# Altium PCB POETIC_Processor_V2.PcbDoc (part 1 of 4)
Units mm, origin at the board's own origin, x right, y up, seen from the top; angles counter-clockwise.
Board outline 210 x 100 mm, 4 copper layers (Top Layer, VCC, GND, Bottom Layer), stack 1.64 mm thick; 405 components, 395 nets, 1590 pads, 394 vias.
Unrouted connection lines stored in the file: 21.
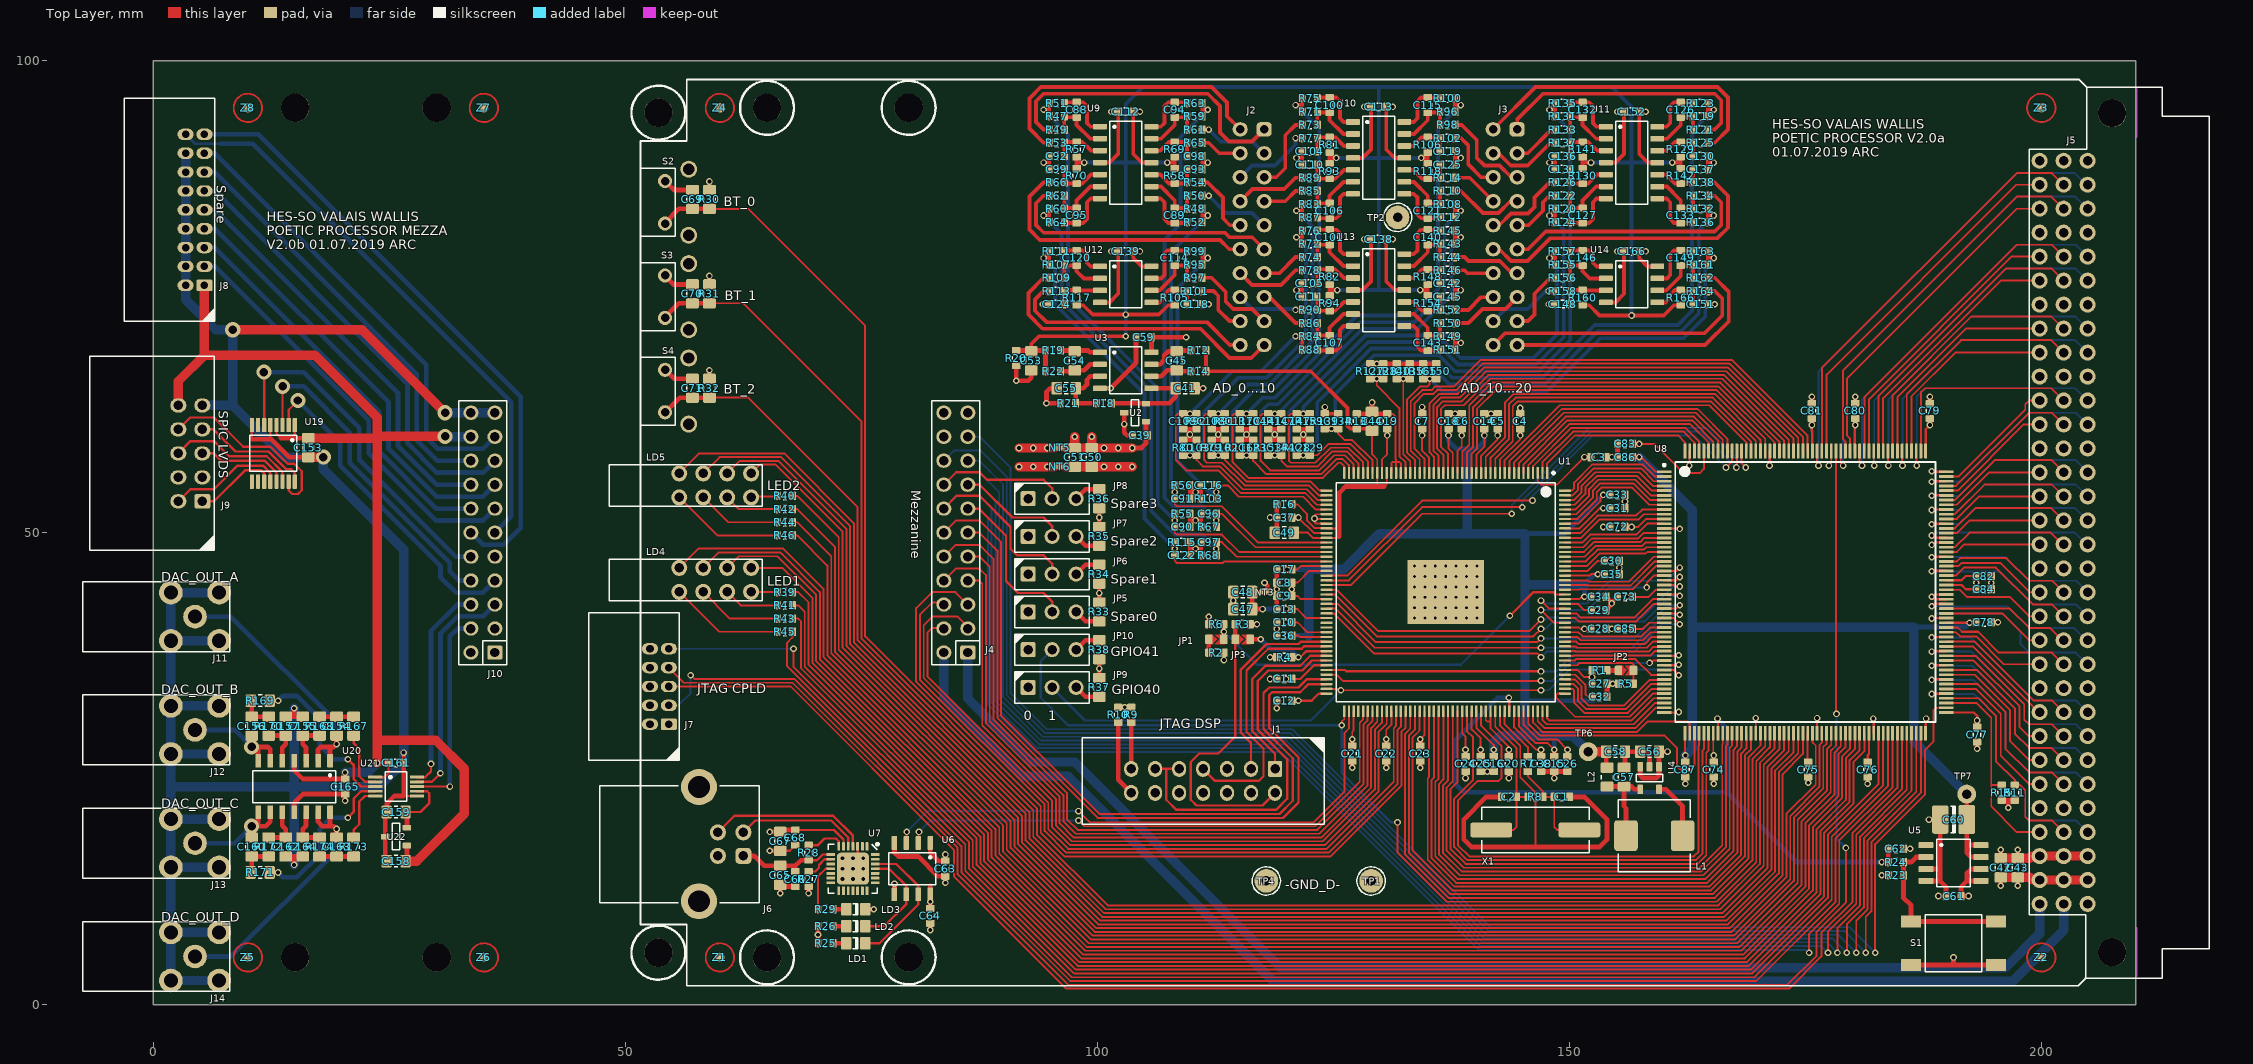
[diagram p0: Top Layer view]
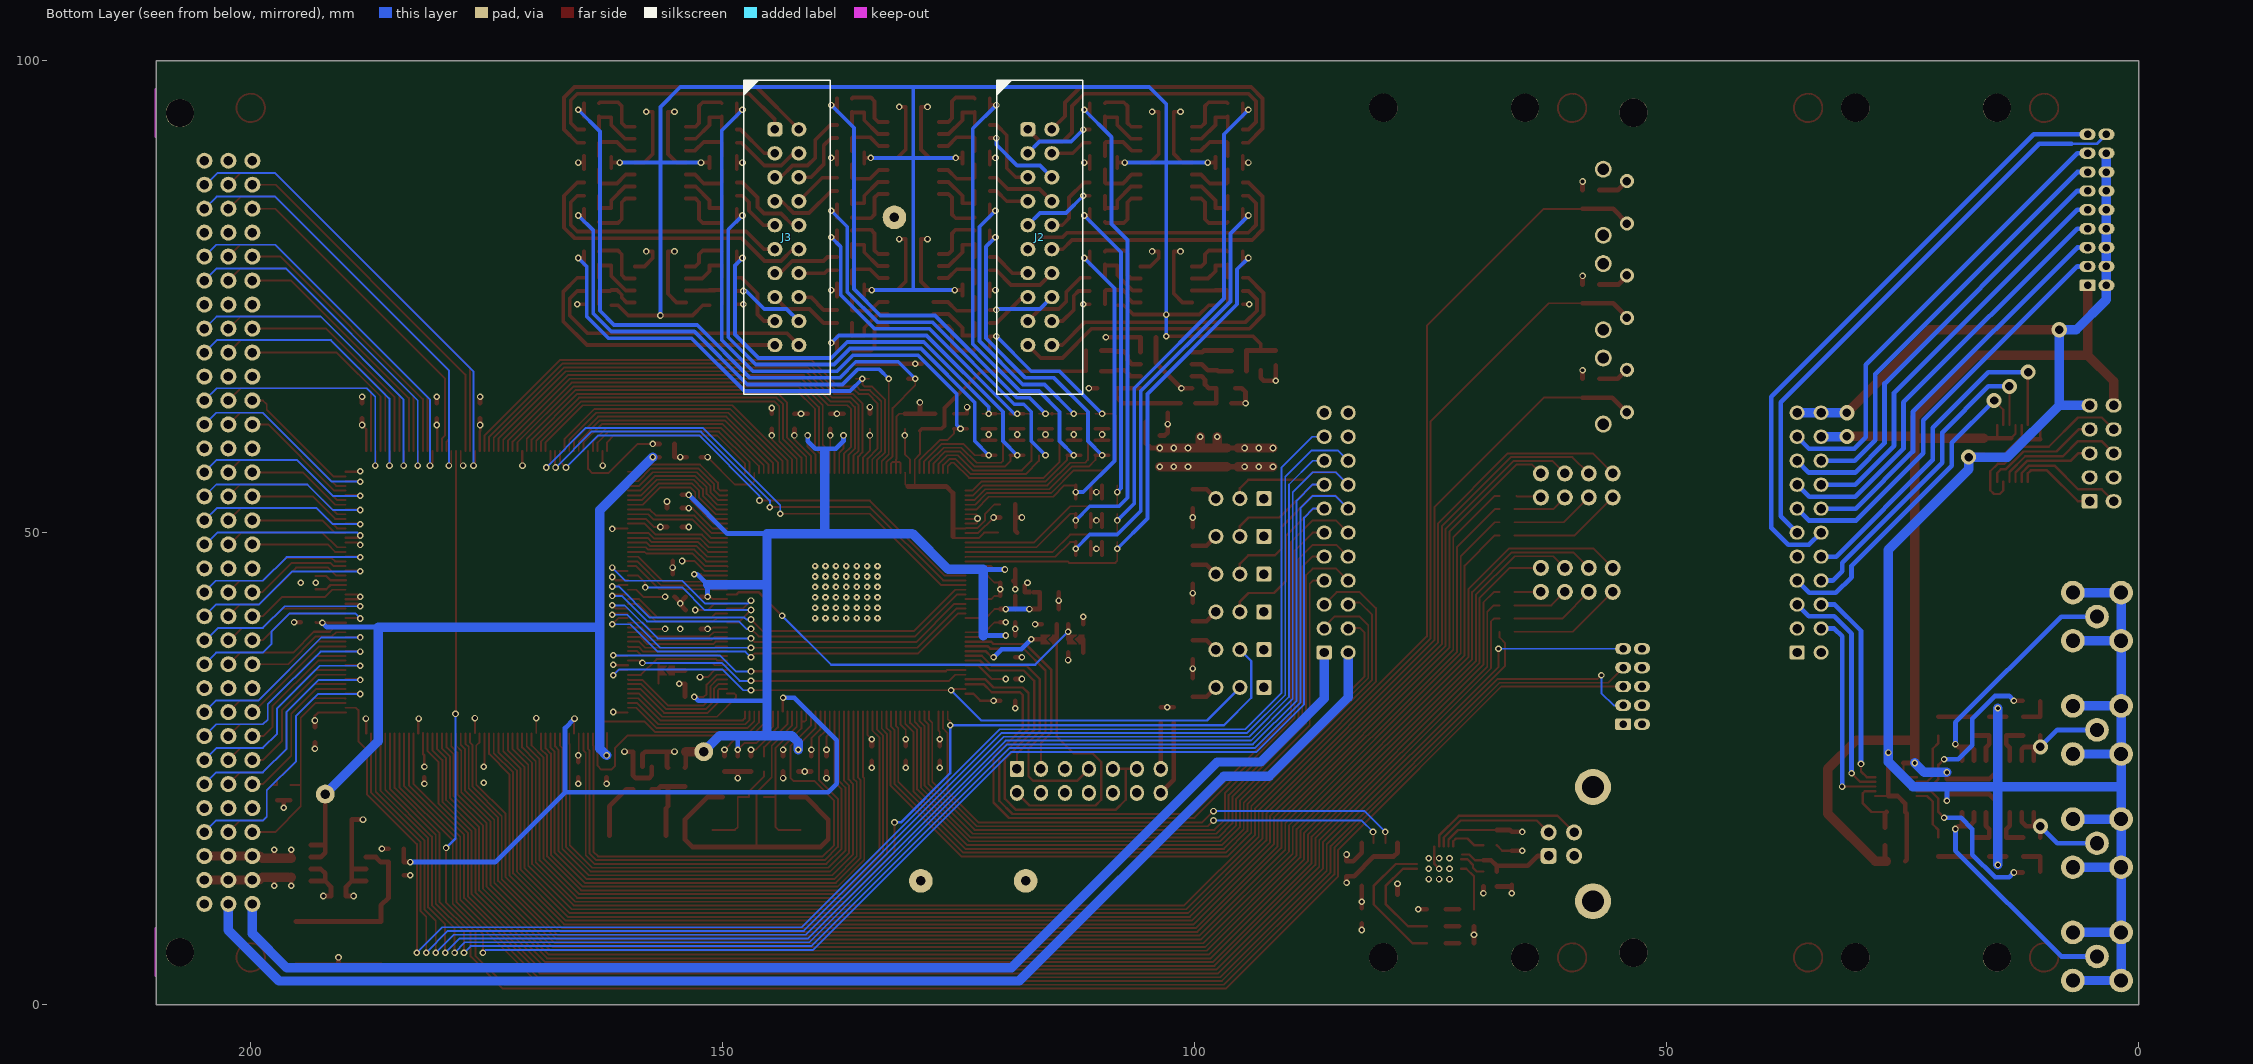
[diagram p1: Bottom Layer view, seen from below]
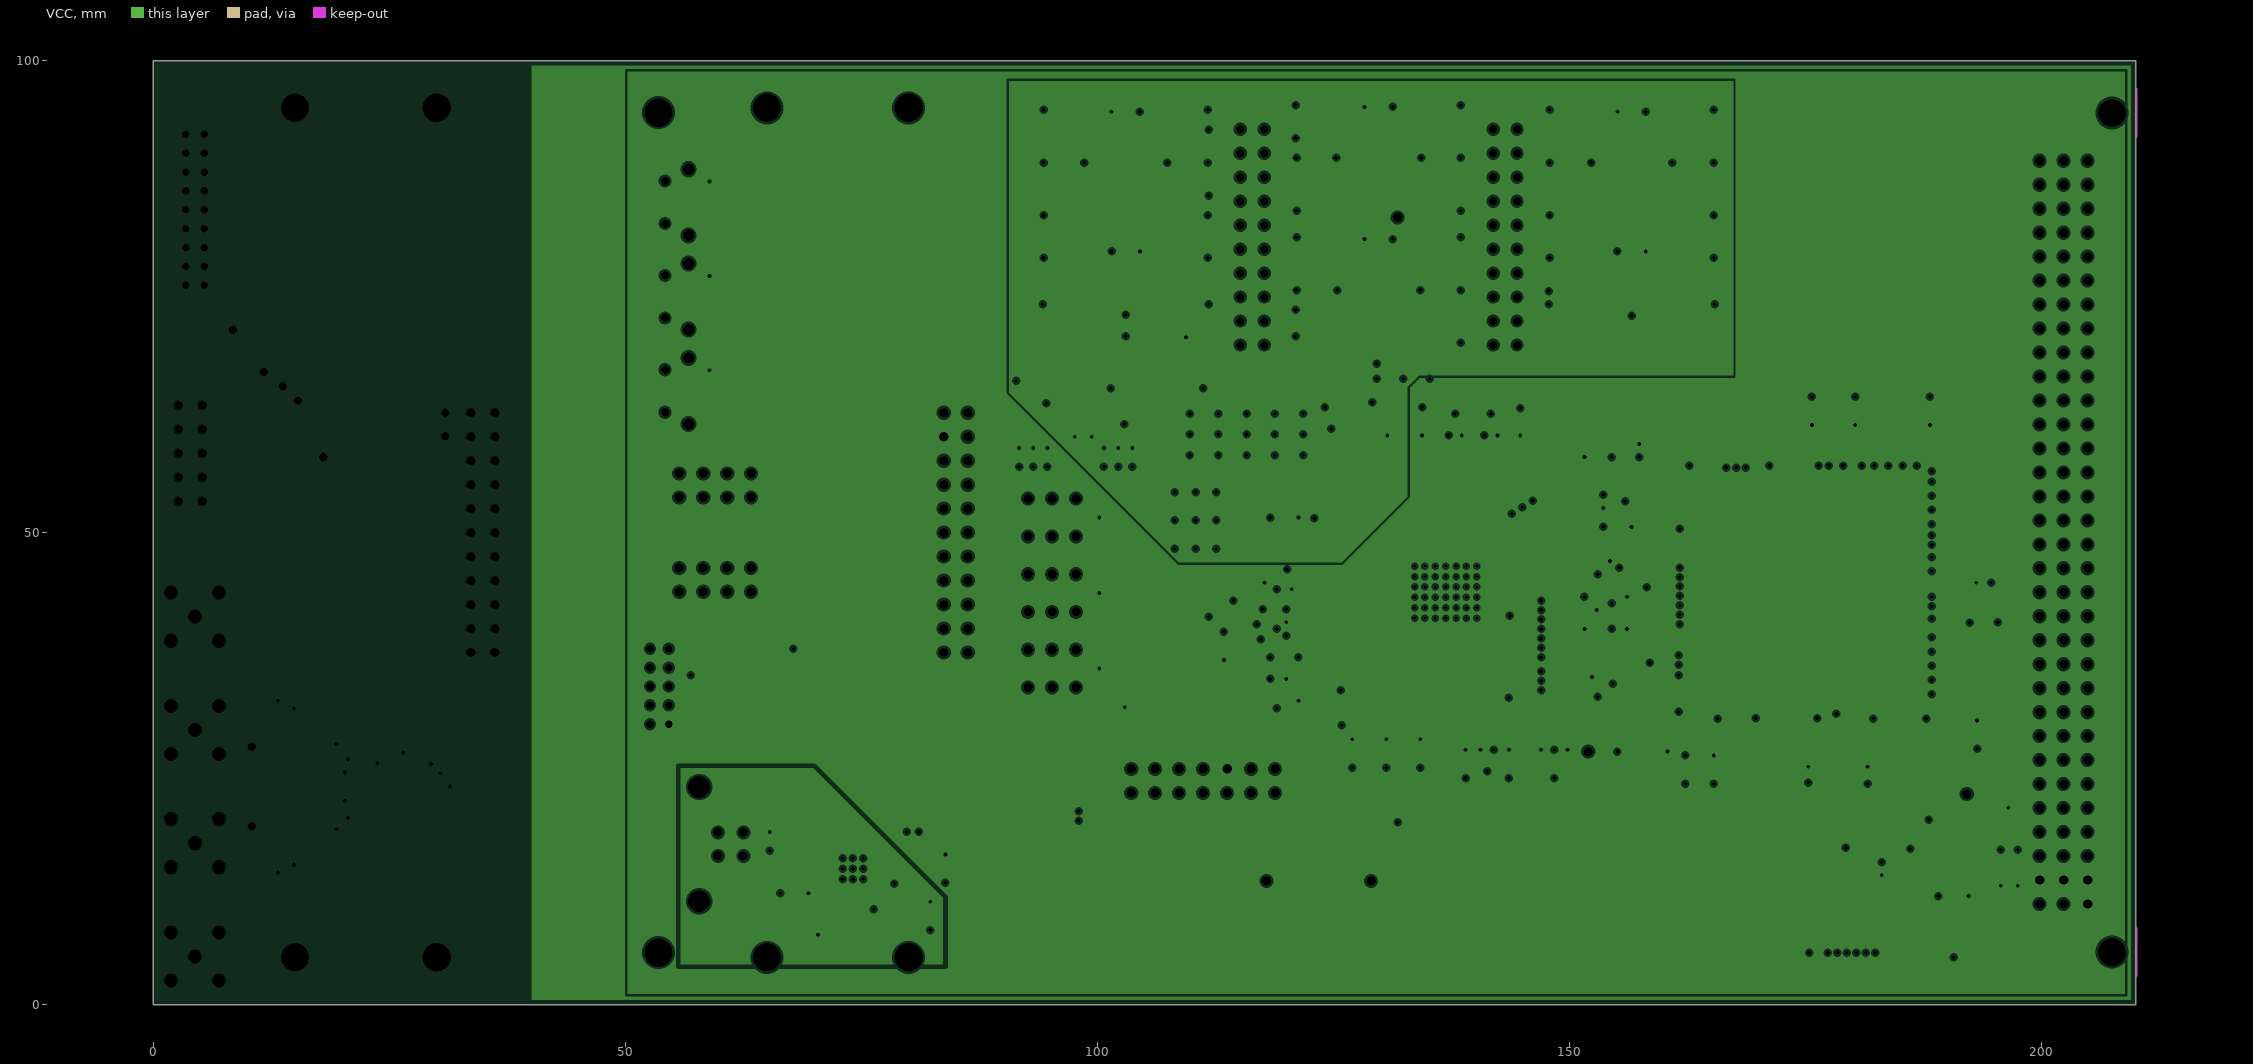
[diagram p2: VCC, clearances drawn from the general rule]
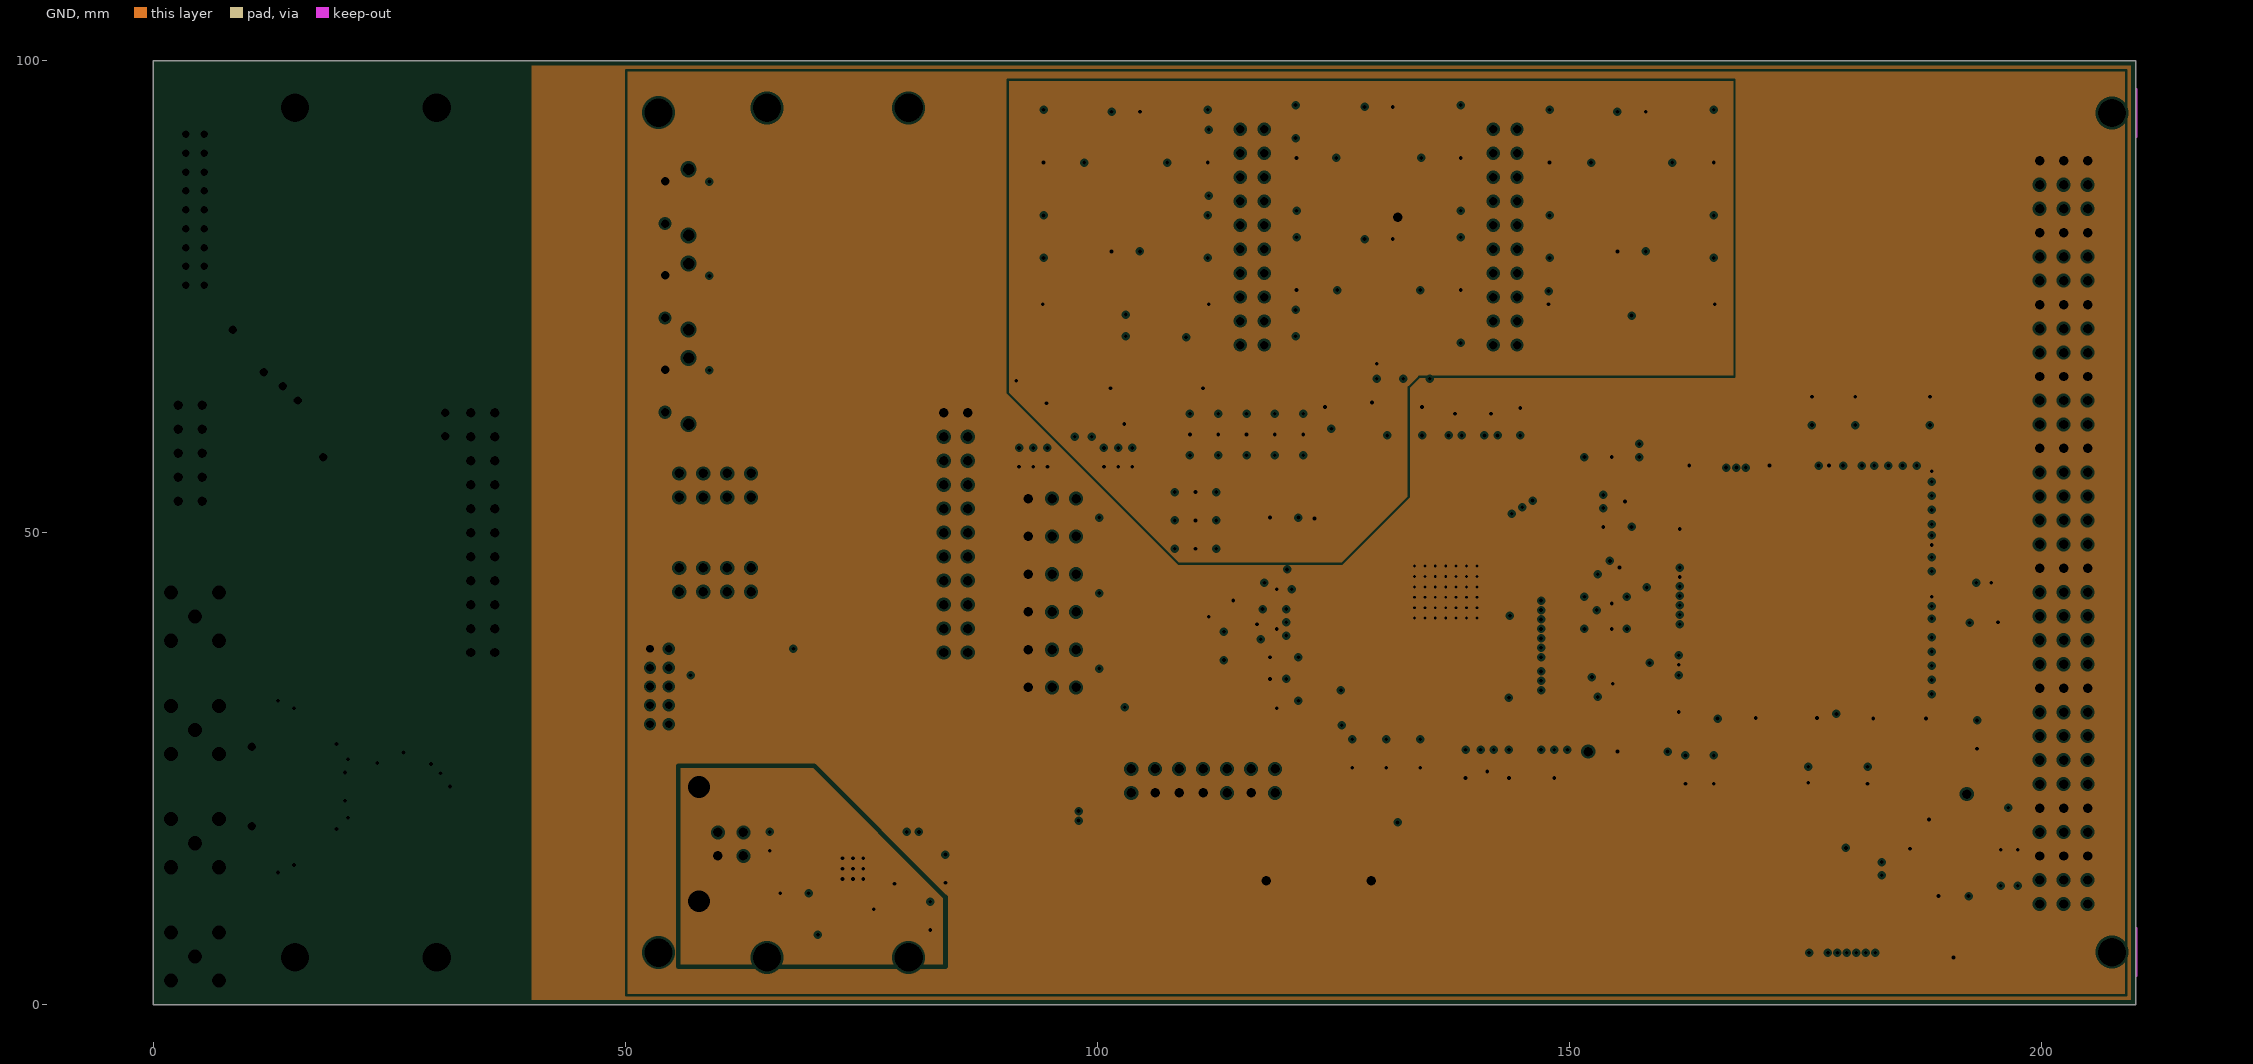
[diagram p3: GND, clearances drawn from the general rule]

## Layer stack, top to bottom
Top Layer: signal copper 0.035
Dielectric 1: core 0.5, FR-4, Dk 4.2
VCC: plane copper 0.035, net (Multiple Nets)
Dielectric 2: prepreg 0.5, FR-4, Dk 4.2
GND: plane copper 0.035, net (Multiple Nets)
Dielectric 3: core 0.5, FR-4, Dk 4.2
Bottom Layer: signal copper 0.035

## Board outline
0,0 0,100 210,100 210,0

## Design rules (kind name [scope] priority, off if disabled: settings)
AcuteAngle [All] p1: minimum=9.00000000000000E+0001 checktracksonly=TRUE
AssemblyTestPointUsage [All] p1 off:
AssemblyTestpoint [All] p1 off: testpointundercomponent=TRUE minsize=1.016 maxsize=2.54 preferedsize=1.524 minholesize=0 maxholesize=1.016 preferedholesize=0.813 testpointgrid=0.025 usegrid=TRUE gridtolerance=0 allowsidetop=TRUE allowsidebottom=TRUE
BoardOutlineClearance [All] p1 off: gap=0.25 ignorepadtopadclearanceinfootprint=FALSE
Clearance [All] p1: gap=0.25 ignorepadtopadclearanceinfootprint=FALSE except(0: Arc-Hole Track-Hole SMDPad-Hole THPad-Hole Via-Hole Fill-Hole Poly-Hole Region-Hole Text-Hole; 0.2: Arc-Track Arc-SMDPad Track-Track Track-SMDPad SMDPad-SMDPad)
ComponentClearance [All] p1 off: gap=0.25 collisioncheckmode=3 verticalgap=0.25 showdistances=FALSE
DiffPairsRouting [All] p1 off: maxlimit=0.254 minlimit=0.254 mostfreqgap=0.254 toplayer_minwidth=0.381 toplayer_maxwidth=0.381 toplayer_prefwidth=0.381 bottomlayer_minwidth=0.381 bottomlayer_maxwidth=0.381 bottomlayer_prefwidth=0.381 maxuncoupledlength=12.7
FabricationTestPointUsage [All] p1 off: valid=0 allowmultiple=FALSE
FabricationTestpoint [All] p1 off: side=3 testpointundercomponent=TRUE minsize=1.016 maxsize=2.54 preferedsize=1.524 minholesize=0 maxholesize=1.016 preferedholesize=0.813 testpointgrid=0.025 allowsidetop=TRUE allowsidebottom=TRUE usegrid=TRUE gridtolerance=0
FanoutControl Fanout_BGA [IsBGA] p1 off: bgadir=Out bgaviamode=Centered fanoutstyle=Auto fanoutdirection=Alternating viagrid=0.025 // Fanout_BGA (Default Rule)
FanoutControl Fanout_LCC [IsLCC] p2 off: bgadir=Out bgaviamode=Centered fanoutstyle=Auto fanoutdirection=Alternating viagrid=0.025 // Fanout_LCC (Default Rule)
FanoutControl Fanout_SOIC [IsSOIC] p3 off: bgadir=Out bgaviamode=Centered fanoutstyle=Auto fanoutdirection=Alternating viagrid=0.025 // Fanout_SOIC (Default Rule)
FanoutControl Fanout_Small [(CompPinCount < 5)] p4 off: bgadir=Out bgaviamode=Centered fanoutstyle=Auto fanoutdirection=OutThenIn viagrid=0.025 // Fanout_Small (Default Rule)
FanoutControl Fanout_Default [All] p5 off: bgadir=Out bgaviamode=Centered fanoutstyle=Auto fanoutdirection=Alternating viagrid=0.025 // Fanout_Default (Default Rule)
Height [All] p1 off: minheight=0 maxheight=25.4 prefheight=12.7
HoleSize [All] p1 off: absolutevalues=TRUE maxlimit=3 minlimit=0.15 maxpercent=80.000 minpercent=20.000
HoleToHoleClearance [All] p1 off: gap=0.25 allowstackedmicrovias=TRUE
LayerPairs [All] p1 off: enforce=TRUE
MinimumAnnularRing [All] p1 off: minimumring=0.35
MinimumSolderMaskSliver [All] p1 off: minsoldermaskwidth=0
PasteMaskExpansion [All] p1 off: expansion=0
PlaneClearance [All] p1: clearance=0.25
PlaneConnect [All] p1: planeconnectstyle=Relief reliefexpansion=0.25 reliefentries=4 reliefconductorwidth=0.25 reliefairgap=0.25
PolygonConnect [All] p1: connectstyle=Relief reliefconductorwidth=0.25 reliefentries=4 polygonreliefangle="90 Angle" airgapwidth=0.25
RoutingCorners [All] p1 off: cornerstyle=45-Degree minsetback=2.5 maxsetback=2.5
RoutingLayers [All] p1 off: top layer_v5=TRUE bottom layer_v5=TRUE
RoutingPriority [All] p1 off: routingpriority=0
RoutingTopology [All] p1 off: topology=Shortest
RoutingVias [All] p1: holewidth=0.4 width=0.7 viastyle="Through Hole" minholewidth=0.4 minwidth=0.7 maxholewidth=0.4 maxwidth=0.7
SilkToBoardRegionClearance [All] p1 off:
SilkToSilkClearance [All] p1 off: silktosilkclearance=0
SilkToSolderMaskClearance [IsPad] p1 off: minsilkscreentomaskgap=0 clearancetoexposedcopper=TRUE
SolderMaskExpansion [All] p1 off: expansion=0
Width [All] p1: maxlimit=10 minlimit=0.2 preferedwidth=1
4 further rules are at their usual default settings.

## Classes and differential pairs
component class CPLD: C69 C70 C71 C72 C73 C74 C75 C76 C77 C78 C79 C80 C81 C82 C83 C84 C85 C86 C87 J7 JP5 JP6 JP7 JP8 JP9 JP10 LD4 LD5 R30 R31 R32 R33 R34 R35 R36 R37 R38 R39 R40 R41 R42 R43 R44 R45 R46 S2 S3 S4 U8
component class Processor: C1 C2 C3 C4 C5 C6 C7 C8 C9 C10 C11 C12 C13 C14 C15 C16 C17 C18 C19 C20 C21 C22 C23 C24 C25 C26 C27 C28 C29 C30 C31 C32 C33 C34 C35 C36 C37 C38 J1 JP1 JP2 JP3 R1 R2 R3 R4 R5 R6 R7 R8 R9 R10 TP2 U1 X1 Z1 Z2 Z3 Z4 Z5 Z6 Z7 Z8
component class Supply: C39 C41 C42 C43 C44 C45 C47 C48 C49 C50 C51 C53 C54 C55 C56 C57 C58 C59 C60 C61 C62 L1 L2 NT3 NT5 NT6 R12 R13 R14 R16 R18 R19 R20 R21 R22 R23 R24 S1 TP1 TP3 TP4 TP6 TP7 U2 U3 U4 U5
component class AD_0: C88 C89 C90 C91 C92 C93 C94 C95 C96 C97 C98 C99 C100 C101 C102 C103 C104 C105 C106 C107 C108 C109 C110 C111 C112 C113 R47 R48 R49 R50 R51 R52 R53 R54 R55 R56 R57 R58 R59 R60 R61 R62 R63 R64 R65 R66 R67 R68 R69 R70 R71 R72 R73 R74 R75 R76 R77 R78 R79 R80 R81 R82 R83 R84 R85 R86 R87 R88 R89 R90 R91 R92 R93 R94 U9 U10 U13
component class AD_1: C114 C115 C116 C117 C118 C119 C120 C121 C122 C123 C124 C125 C126 C127 C128 C129 C130 C131 C132 C133 C134 C135 C136 C137 C138 C139 C166 R95 R96 R97 R98 R99 R100 R101 R102 R103 R104 R105 R106 R107 R108 R109 R110 R111 R112 R113 R114 R115 R116 R117 R118 R119 R120 R121 R122 R123 R124 R125 R126 R127 R128 R129 R130 R131 R132 R133 R134 R135 R136 R137 R138 R139 R140 R141 R142 U11 U12
component class AD_2: C140 C141 C142 C143 C144 C145 C146 C147 C148 C149 C150 C151 C152 R143 R144 R145 R146 R147 R148 R149 R150 R151 R152 R153 R154 R155 R156 R157 R158 R159 R160 R161 R162 R163 R164 R165 R166 U14
component class Connector_0: C63 C64 C65 C66 C67 C68 J2 J3 J4 J5 J6 LD1 LD2 LD3 R11 R15 R25 R26 R27 R28 R29 U6 U7
component class Mezz_Board: C153 C154 C155 C156 C157 C158 C159 C160 C161 C162 C163 C164 C165 J8 J9 J10 J11 J12 J13 J14 R167 R168 R169 R170 R171 R172 R173 R174 U19 U20 U21 U22

## Components (designator, comment, footprint, x,y, rotation, side; value= is the part's Value field where it differs from the comment)
C1 "15p" "CAPACITOR 1608 REFLOW" 149.2,22 r180 top
C2 "15p" "CAPACITOR 1608 REFLOW" 143.6,22 r0 top
C3 "100n" "CAPACITOR 1608 REFLOW" 153.1,58 r180 top
C4 "100n" "CAPACITOR 1608 REFLOW" 144.8,61.8 r270 top
C5 "100n" "CAPACITOR 1608 REFLOW" 142.4,61.8 r270 top
C6 "100n" "CAPACITOR 1608 REFLOW" 138.6,61.8 r270 top
C7 "100n" "CAPACITOR 1608 REFLOW" 134.4,61.8 r270 top
C8 "100n" "CAPACITOR 1608 REFLOW" 119.8,44.7 r0 top
C9 "100n" "CAPACITOR 1608 REFLOW" 119.8,43.3 r0 top
C10 "100n" "CAPACITOR 1608 REFLOW" 119.8,40.5 r0 top
C11 "100n" "CAPACITOR 1608 REFLOW" 119.8,34.5 r0 top
C12 "100n" "CAPACITOR 1608 REFLOW" 119.8,32.2 r0 top
C13 "100n" "CAPACITOR 1608 REFLOW" 119.8,41.9 r0 top
C14 "2u2" "CAPACITOR 1608 REFLOW" 141,61.8 r270 top
C15 "2u2" "CAPACITOR 1608 REFLOW" 148.4,25.5 r90 top
C16 "2u2" "CAPACITOR 1608 REFLOW" 142,25.5 r90 top
C17 "2u2" "CAPACITOR 1608 REFLOW" 119.8,46.1 r0 top
C18 "2u2" "CAPACITOR 1608 REFLOW" 137.2,61.8 r270 top
C19 "100n" "CAPACITOR 1608 REFLOW" 130.7,61.8 r270 top
C20 "100n" "CAPACITOR 1608 REFLOW" 143.6,25.5 r90 top
C21 "100n" "CAPACITOR 1608 REFLOW" 127,26.6 r90 top
C22 "100n" "CAPACITOR 1608 REFLOW" 130.6,26.6 r90 top
C23 "100n" "CAPACITOR 1608 REFLOW" 134.2,26.6 r90 top
C24 "100n" "CAPACITOR 1608 REFLOW" 139,25.5 r90 top
C25 "100n" "CAPACITOR 1608 REFLOW" 140.6,25.5 r90 top
C26 "100n" "CAPACITOR 1608 REFLOW" 149.8,25.5 r90 top
C27 "100n" "CAPACITOR 1608 REFLOW" 153.2,34 r180 top
C28 "100n" "CAPACITOR 1608 REFLOW" 153.1,39.8 r180 top
C29 "100n" "CAPACITOR 1608 REFLOW" 153.1,41.8 r180 top
C30 "100n" "CAPACITOR 1608 REFLOW" 154.5,47 r180 top
C31 "100n" "CAPACITOR 1608 REFLOW" 155.1,52.6 r180 top
C32 "2u2" "CAPACITOR 1608 REFLOW" 153.2,32.6 r180 top
C33 "2u2" "CAPACITOR 1608 REFLOW" 155.1,54 r180 top
C34 "2u2" "CAPACITOR 1608 REFLOW" 153.1,43.2 r180 top
C35 "2u2" "CAPACITOR 1608 REFLOW" 154.5,45.6 r180 top
C36 "2u2" "CAPACITOR 1608 REFLOW" 119.8,39.1 r0 top
C37 "100n" "CAPACITOR 1608 REFLOW" 119.8,51.6 r0 top
C38 "100n" "CAPACITOR 1608 REFLOW" 147,25.5 r90 top
C39 "100n" "CAPACITOR 1608 REFLOW" 104.5,60.3 r0 top
C41 "3u3" "CAPACITOR 2012 REFLOW" 109.3,65.295 r180 top
C42 "10u" "CAPACITOR 2012 REFLOW" 195.7,14.5 r90 top
C43 "100n" "CAPACITOR 2012 REFLOW" 197.5,14.5 r90 top
C44 "10u" "CAPACITOR 2012 REFLOW" 129.1,61.8 r270 top
C45 "3u3" "CAPACITOR 2012 REFLOW" 108.4,68.2 r90 top
C47 "10u" "CAPACITOR 2012 REFLOW" 115.4,41.9 r180 top
C48 "100n" "CAPACITOR 2012 REFLOW" 115.4,43.7 r180 top
C49 "10u" "CAPACITOR 2012 REFLOW" 119.8,50 r0 top
C50 "10u" "CAPACITOR 2012 REFLOW" 99.4,57.97 r270 top
C51 "100n" "CAPACITOR 2012 REFLOW" 97.6,57.97 r270 top
C53 "10u" "CAPACITOR 2012 REFLOW" 93,68.2 r90 top
C54 "3u3" "CAPACITOR 2012 REFLOW" 97.6,68.2 r90 top
C55 "1u" "CAPACITOR 2012 REFLOW" 96.7,65.3 r0 top
C56 "4u7" "CAPACITOR 2012 REFLOW" 158.5,26.8 r0 top
C57 "10u" "CAPACITOR 2012 REFLOW" 155.8,24.1 r270 top
C58 "10u" "CAPACITOR 2012 REFLOW" 154.9,26.8 r180 top
C59 "100n" "CAPACITOR 1608 REFLOW" 104.9,70.7 r0 top
C60 "4u7" "CAPACITOR POL 3528-21 REFLOW" 190.7,19.6 r180 top
C61 "100n" "CAPACITOR 1608 REFLOW" 190.7,11.5 r180 top
C62 "100n" "CAPACITOR 1608 REFLOW" 184.6,16.5 r180 top
C63 "100n" "CAPACITOR 1608 REFLOW" 83.9,14.4 r90 top
C64 "100n" "CAPACITOR 1608 REFLOW" 82.3,9.4 r90 top
C65 "4u7" "CAPACITOR 2012 REFLOW" 66.4,13.7 r90 top
C66 "100n" "CAPACITOR 1608 REFLOW" 68,13.3 r90 top
C67 "4u7" "CAPACITOR 2012 REFLOW" 66.4,17.3 r90 top
C68 "100n" "CAPACITOR 1608 REFLOW" 68,17.7 r90 top
C69 "100n" "CAPACITOR 2012 REFLOW" 57.1,85.3 r270 top
C70 "100n" "CAPACITOR 2012 REFLOW" 57.1,75.3 r270 top
C71 "100n" "CAPACITOR 2012 REFLOW" 57.1,65.3 r270 top
C72 "100n" "CAPACITOR 1608 REFLOW" 155.1,50.6 r0 top
C73 "100n" "CAPACITOR 1608 REFLOW" 155.9,43.2 r0 top
C74 "100n" "CAPACITOR 1608 REFLOW" 165.3,24.9 r90 top
C75 "100n" "CAPACITOR 1608 REFLOW" 175.299,24.9 r90 top
C76 "100n" "CAPACITOR 1608 REFLOW" 181.6,24.9 r90 top
C77 "100n" "CAPACITOR 1608 REFLOW" 193.2,28.6 r90 top
C78 "100n" "CAPACITOR 1608 REFLOW" 193.9,40.5 r180 top
C79 "100n" "CAPACITOR 1608 REFLOW" 188.2,62.9 r270 top
C80 "100n" "CAPACITOR 1608 REFLOW" 180.3,62.9 r270 top
C81 "100n" "CAPACITOR 1608 REFLOW" 175.7,62.9 r270 top
C82 "100n" "CAPACITOR 1608 REFLOW" 193.9,45.4 r180 top
C83 "100n" "CAPACITOR 1608 REFLOW" 155.9,59.4 r0 top
C84 "100n" "CAPACITOR 1608 REFLOW" 193.9,44 r180 top
C85 "100n" "CAPACITOR 1608 REFLOW" 155.9,39.8 r0 top
C86 "100n" "CAPACITOR 1608 REFLOW" 155.9,58 r0 top
C87 "100n" "CAPACITOR 1608 REFLOW" 162.3,24.9 r90 top
C88 "47p" "CAPACITOR 1608 REFLOW" 97.8,94.8 r270 top
C89 "47p" "CAPACITOR 1608 REFLOW" 108.2,83.6 r90 top
C90 "2n2" "CAPACITOR 1608 REFLOW" 109,50.6 r180 top
C91 "2n2" "CAPACITOR 1608 REFLOW" 109,53.6 r180 top
C92 "47p" "CAPACITOR 1608 REFLOW" 95.7,89.9 r0 top
C93 "47p" "CAPACITOR 1608 REFLOW" 110.3,88.5 r180 top
C94 "47p" "CAPACITOR 1608 REFLOW" 108.2,94.8 r270 top
C95 "47p" "CAPACITOR 1608 REFLOW" 97.8,83.6 r90 top
C96 "2n2" "CAPACITOR 1608 REFLOW" 111.8,52 r0 top
C97 "2n2" "CAPACITOR 1608 REFLOW" 111.8,49 r0 top
C98 "47p" "CAPACITOR 1608 REFLOW" 110.3,89.9 r180 top
C99 "47p" "CAPACITOR 1608 REFLOW" 95.7,88.5 r0 top
C100 "47p" "CAPACITOR 1608 REFLOW" 124.6,95.3 r270 top
C101 "47p" "CAPACITOR 1608 REFLOW" 124.6,81.3 r270 top
C102 "2n2" "CAPACITOR 1608 REFLOW" 113.5,59 r270 top
C103 "2n2" "CAPACITOR 1608 REFLOW" 110.5,59 r270 top
C104 "47p" "CAPACITOR 1608 REFLOW" 122.5,90.4 r0 top
C105 "47p" "CAPACITOR 1608 REFLOW" 122.5,76.4 r0 top
C106 "47p" "CAPACITOR 1608 REFLOW" 124.6,84.1 r90 top
C107 "47p" "CAPACITOR 1608 REFLOW" 124.6,70.1 r90 top
C108 "2n2" "CAPACITOR 1608 REFLOW" 112.1,61.8 r90 top
C109 "2n2" "CAPACITOR 1608 REFLOW" 109.1,61.8 r90 top
C110 "47p" "CAPACITOR 1608 REFLOW" 122.5,89 r0 top
C111 "47p" "CAPACITOR 1608 REFLOW" 122.5,75 r0 top
C112 "100n" "CAPACITOR 1608 REFLOW" 103,94.6 r180 top
C113 "100n" "CAPACITOR 1608 REFLOW" 129.8,95.1 r180 top
C114 "47p" "CAPACITOR 1608 REFLOW" 108.2,79.1 r270 top
C115 "47p" "CAPACITOR 1608 REFLOW" 135,95.3 r270 top
C116 "2n2" "CAPACITOR 1608 REFLOW" 111.8,55 r0 top
C117 "2n2" "CAPACITOR 1608 REFLOW" 115.1,61.8 r90 top
C118 "47p" "CAPACITOR 1608 REFLOW" 110.3,74.2 r180 top
C119 "47p" "CAPACITOR 1608 REFLOW" 137.1,90.4 r180 top
C120 "47p" "CAPACITOR 1608 REFLOW" 97.8,79.1 r270 top
C121 "47p" "CAPACITOR 1608 REFLOW" 135,84.1 r90 top
C122 "2n2" "CAPACITOR 1608 REFLOW" 109,47.6 r180 top
C123 "2n2" "CAPACITOR 1608 REFLOW" 116.5,59 r270 top
C124 "47p" "CAPACITOR 1608 REFLOW" 95.7,74.2 r0 top
C125 "47p" "CAPACITOR 1608 REFLOW" 137.1,89 r180 top
C126 "47p" "CAPACITOR 1608 REFLOW" 161.8,94.8 r270 top
C127 "47p" "CAPACITOR 1608 REFLOW" 151.4,83.6 r90 top
C128 "2n2" "CAPACITOR 1608 REFLOW" 130.3,67.1 r270 top
C129 "2n2" "CAPACITOR 1608 REFLOW" 122.5,59 r270 top
C130 "47p" "CAPACITOR 1608 REFLOW" 163.9,89.9 r180 top
C131 "47p" "CAPACITOR 1608 REFLOW" 149.3,88.5 r0 top
C132 "47p" "CAPACITOR 1608 REFLOW" 151.4,94.8 r270 top
C133 "47p" "CAPACITOR 1608 REFLOW" 161.8,83.6 r90 top
C134 "2n2" "CAPACITOR 1608 REFLOW" 125.5,61.8 r270 top
C135 "2n2" "CAPACITOR 1608 REFLOW" 133.1,67.1 r270 top
C136 "47p" "CAPACITOR 1608 REFLOW" 149.3,89.9 r0 top
C137 "47p" "CAPACITOR 1608 REFLOW" 163.9,88.5 r180 top
C138 "100n" "CAPACITOR 1608 REFLOW" 129.8,81.1 r180 top
C139 "100n" "CAPACITOR 1608 REFLOW" 103,79.8 r0 top
C140 "47p" "CAPACITOR 1608 REFLOW" 135,81.3 r270 top
C141 "2n2" "CAPACITOR 1608 REFLOW" 118.1,61.8 r90 top
C142 "47p" "CAPACITOR 1608 REFLOW" 137.1,76.4 r180 top
C143 "47p" "CAPACITOR 1608 REFLOW" 135,70.1 r90 top
C144 "2n2" "CAPACITOR 1608 REFLOW" 119.5,59 r270 top
C145 "47p" "CAPACITOR 1608 REFLOW" 137.1,75 r180 top
C146 "47p" "CAPACITOR 1608 REFLOW" 151.4,79.1 r270 top
C147 "2n2" "CAPACITOR 1608 REFLOW" 121.1,61.8 r90 top
C148 "47p" "CAPACITOR 1608 REFLOW" 149.3,74.2 r0 top
C149 "47p" "CAPACITOR 1608 REFLOW" 161.8,79.1 r270 top
C150 "2n2" "CAPACITOR 1608 REFLOW" 135.9,67.1 r270 top
C151 "47p" "CAPACITOR 1608 REFLOW" 163.9,74.2 r180 top
C152 "100n" "CAPACITOR 1608 REFLOW" 156.6,94.6 r180 top
C153 "100n" "CAPACITOR 2012 REFLOW" 16.4,59 r90 top
C154 "100p" "CAPACITOR 2012 REFLOW" 19.4,29.5 r270 top
C155 "150p" "CAPACITOR 2012 REFLOW" 15.8,29.5 r270 top
C156 "100p" "CAPACITOR 2012 REFLOW" 10.4,29.5 r270 top
C157 "150p" "CAPACITOR 2012 REFLOW" 14,29.5 r270 top